# Altium PCB STB_LightBoard.PcbDoc (part 1 of 31)
Units mm, origin at the board's own origin, x right, y up, seen from the top; angles counter-clockwise.
Board outline 348 x 348 mm, 2 copper layers (Top Layer, Bottom Layer), stack 1.672 mm thick; 3807 components, 3391 nets, 11616 pads, 2553 vias.
Unrouted connection lines stored in the file: 68.
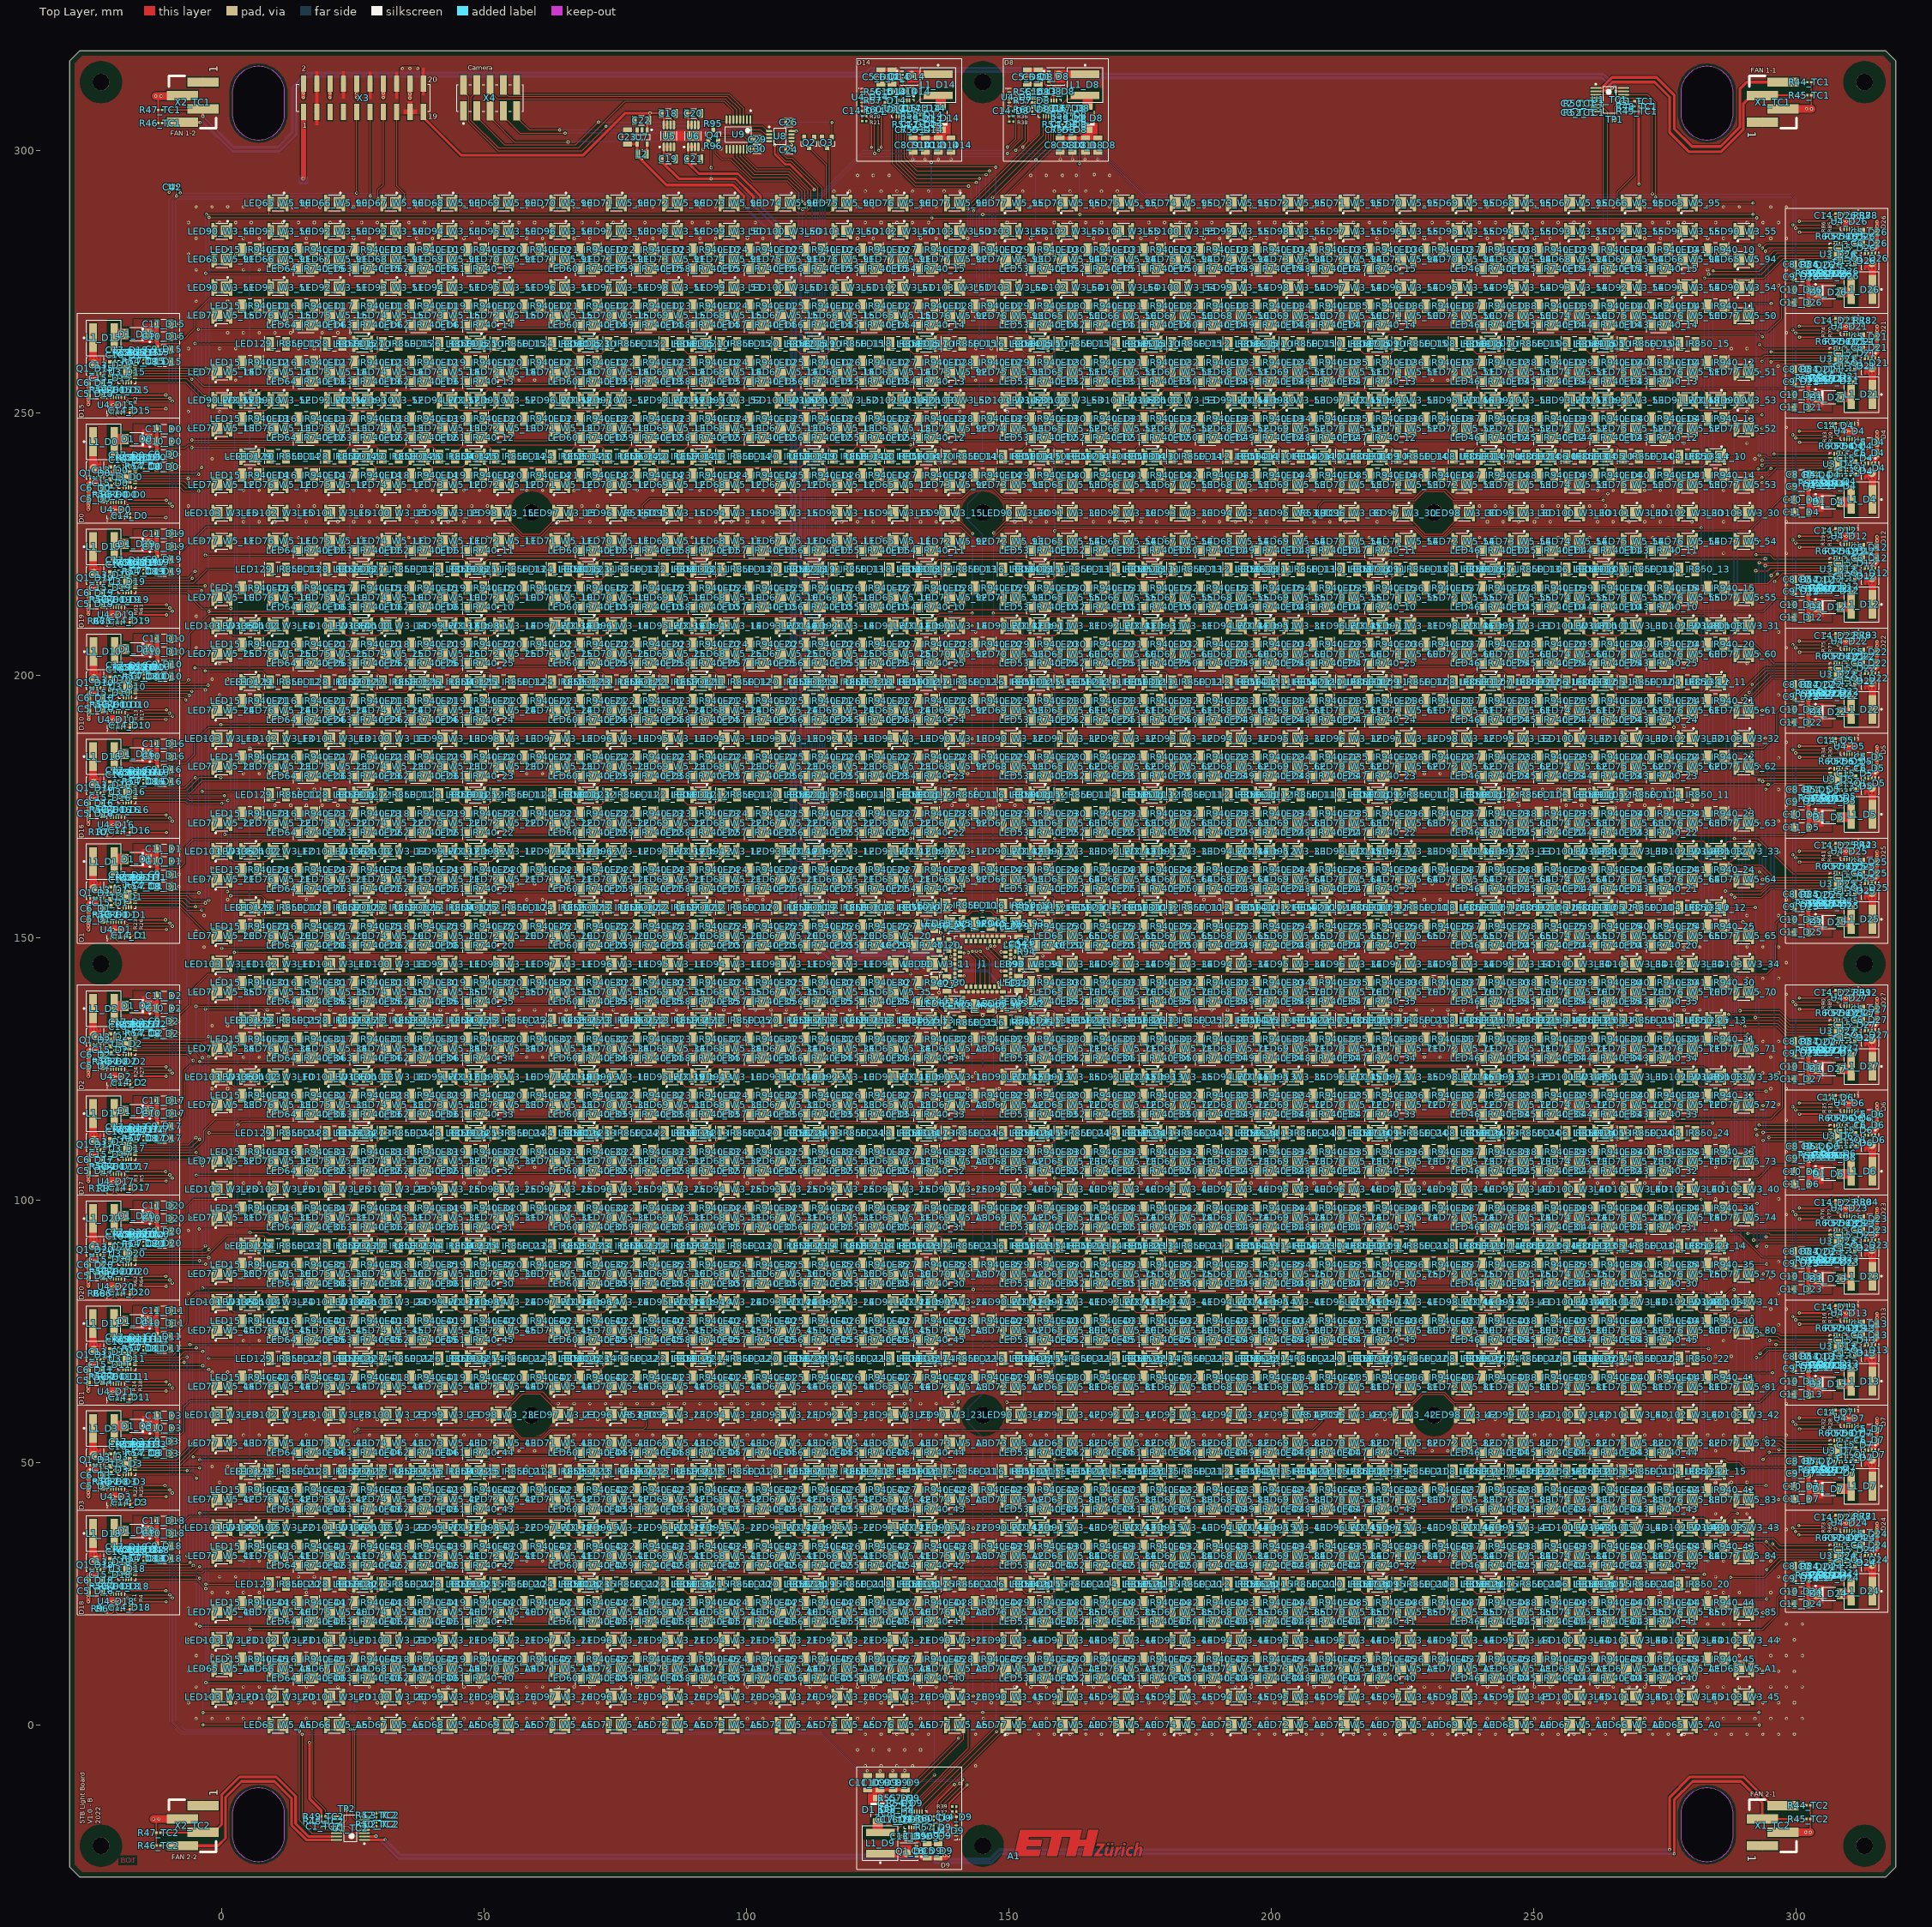
[diagram p0: Top Layer view]
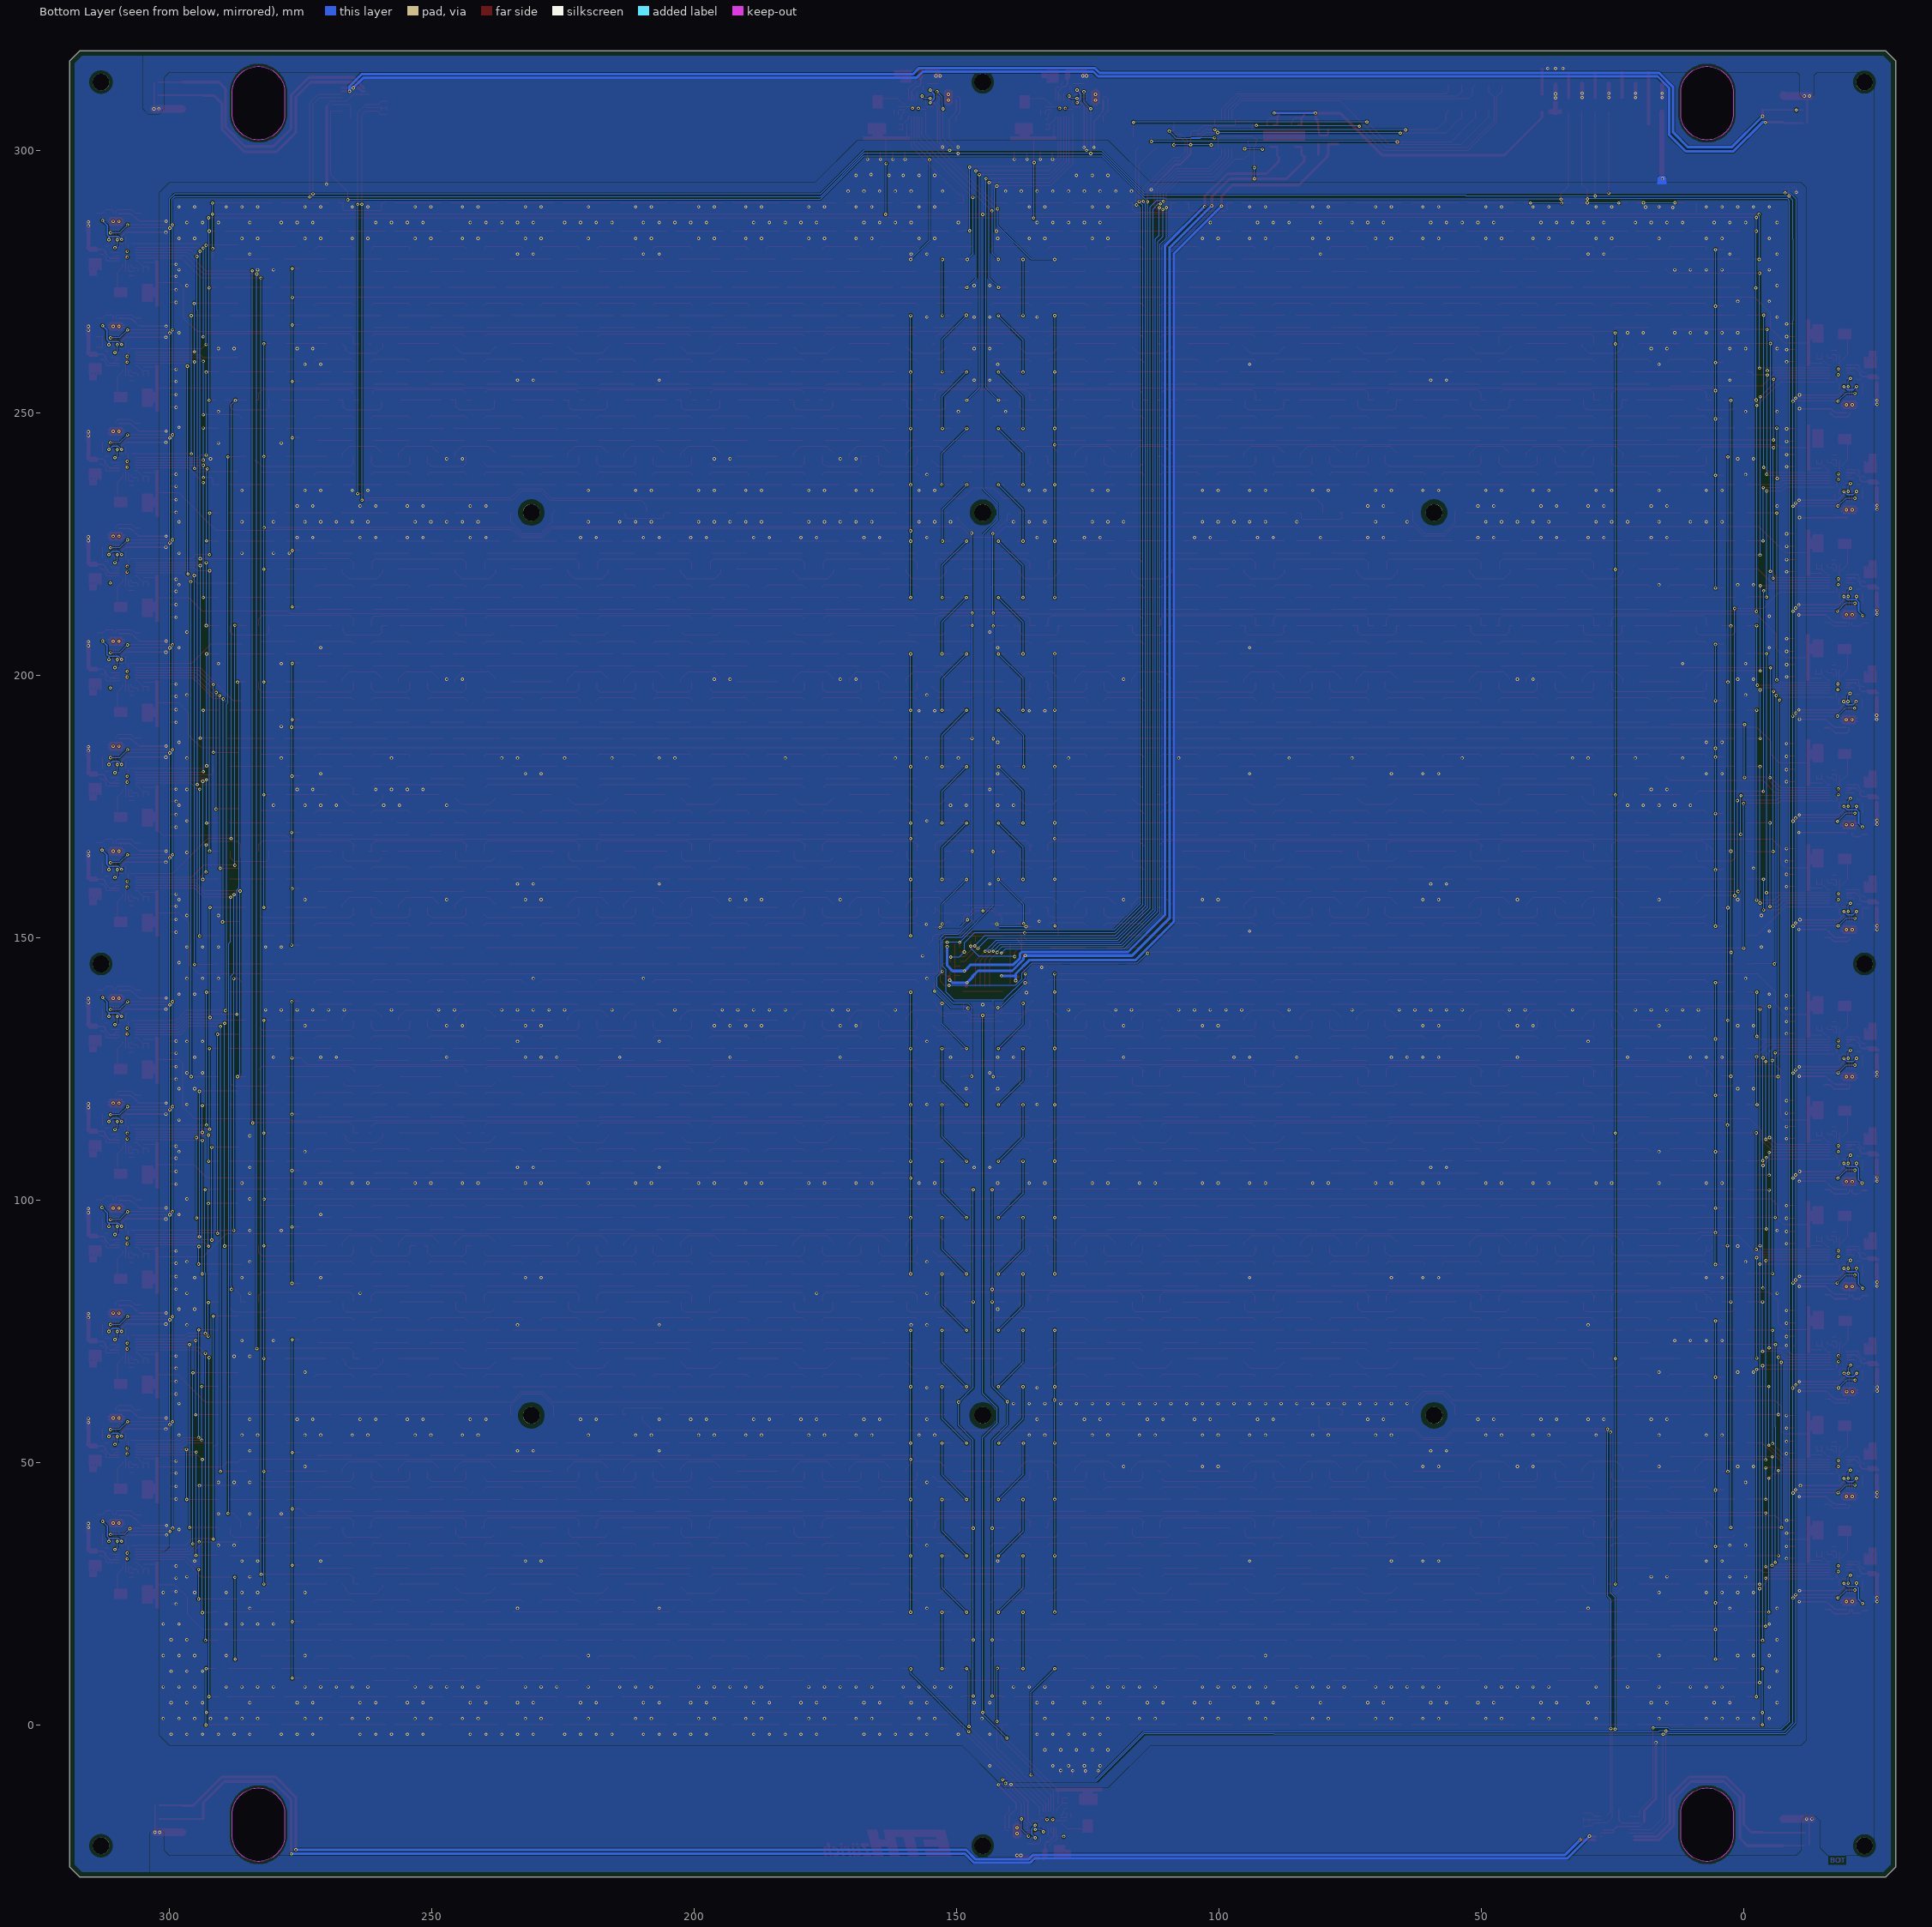
[diagram p1: Bottom Layer view, seen from below]

## Layer stack, top to bottom
Top Solder: solder mask 0.01, SM-001, Dk 4
Top Layer: signal copper 0.035
Dielectric 3: prepreg 0.0508, PP-001, Dk 3.9
Bottom Layer: signal copper 0.035
Dielectric 2: prepreg 0.0508, PP-001, Dk 3.9
Aluminium: core 1.5, Core-043, Dk 10

## Board outline
-27,319 -29,317 -29,-27 -27,-29 317,-29 319,-27 319,317 317,319
cut-out: 2,307 ccw(c7,307) 12,307 12,311 ccw(c7,311) 2,311
cut-out: 278,307 ccw(c283,307) 288,307 288,311 ccw(c283,311) 278,311
cut-out: 278,-21 ccw(c283,-21) 288,-21 288,-17 ccw(c283,-17) 278,-17
cut-out: 2,-21 ccw(c7,-21) 12,-21 12,-17 ccw(c7,-17) 2,-17

## Design rules (kind name [scope] priority, off if disabled: settings)
BoardOutlineClearance [All] p1: gap=1 ignorepadtopadclearanceinfootprint=FALSE except(0.5: Poly-CutoutEdge)
Clearance [All] p1: gap=0.152 ignorepadtopadclearanceinfootprint=FALSE
ComponentClearance [All] p1: gap=0.254 collisioncheckmode=3 verticalgap=2540 showdistances=FALSE
HoleSize [All] p1: absolutevalues=TRUE maxlimit=4 minlimit=0.025 maxpercent=80.000 minpercent=20.000
HoleToHoleClearance [All] p1: gap=0.1 allowstackedmicrovias=TRUE
MinimumSolderMaskSliver [All] p1: minsoldermaskwidth=0.1
PlaneClearance [All] p1: clearance=0.254
PlaneConnect [All] p1: planeconnectstyle=Direct reliefexpansion=0.508 reliefentries=4 reliefconductorwidth=0.254 reliefairgap=0.254
PolygonConnect [All] p1: thpad.connectstyle=Relief thpad.reliefconductorwidth=0.254 thpad.reliefentries=4 thpad.polygonreliefangle="90 Angle" thpad.airgapwidth=0.152 smdpad.connectstyle=Relief smdpad.reliefconductorwidth=0.152 smdpad.reliefentries=4 smdpad.polygonreliefangle="90 Angle" smdpad.airgapwidth=0.152 via.connectstyle=Direct via.reliefconductorwidth=0.254 via.reliefentries=4 via.polygonreliefangle="90 Angle" via.airgapwidth=0.254
RoomDefinition D3 [InComponentClass('D3')] p1: confinementstyle=ConfineIn formatcopy=FALSE lockcomponents=FALSE outline -27,41 -8,41 -8,61 -27,61
RoomDefinition D18 [InComponentClass('D18')] p2: confinementstyle=ConfineIn formatcopy=FALSE lockcomponents=FALSE outline -27,21 -8,21 -8,41 -27,41
RoomDefinition D6 [InComponentClass('D6')] p3: confinementstyle=ConfineIn formatcopy=FALSE lockcomponents=FALSE outline 317,121 298,121 298,101 317,101
RoomDefinition W5_43 [InComponentClass('W5_43')] p4: confinementstyle=ConfineIn formatcopy=FALSE lockcomponents=FALSE outline -3,59.07 139.633,59.07 139.633,48.33 -3,48.33
RoomDefinition W5_42 [InComponentClass('W5_42')] p5: confinementstyle=ConfineIn formatcopy=FALSE lockcomponents=FALSE outline -3,48.33 139.633,48.33 139.633,37.59 -3,37.59
RoomDefinition W5_41 [InComponentClass('W5_41')] p6: confinementstyle=ConfineIn formatcopy=FALSE lockcomponents=FALSE outline -3,37.59 139.633,37.59 139.633,26.85 -3,26.85
RoomDefinition W5_40 [InComponentClass('W5_40')] p7: confinementstyle=ConfineIn formatcopy=FALSE lockcomponents=FALSE outline -3,26.85 139.633,26.85 139.633,16.11 -3,16.11
RoomDefinition W5_10 [InComponentClass('W5_10')] p8: confinementstyle=ConfineIn formatcopy=FALSE lockcomponents=FALSE outline -3,220.17 139.633,220.17 139.633,209.43 -3,209.43
RoomDefinition W5_12 [InComponentClass('W5_12')] p9: confinementstyle=ConfineIn formatcopy=FALSE lockcomponents=FALSE outline -3,241.65 139.633,241.65 139.633,230.91 -3,230.91
RoomDefinition W5_13 [InComponentClass('W5_13')] p10: confinementstyle=ConfineIn formatcopy=FALSE lockcomponents=FALSE outline -3,252.39 139.633,252.39 139.633,241.65 -3,241.65
RoomDefinition W5_14 [InComponentClass('W5_14')] p11: confinementstyle=ConfineIn formatcopy=FALSE lockcomponents=FALSE outline -3,263.13 139.633,263.13 139.633,252.39 -3,252.39
RoomDefinition W5_20 [InComponentClass('W5_20')] p12: confinementstyle=ConfineIn formatcopy=FALSE lockcomponents=FALSE outline -3,155.73 139.633,155.73 139.633,144.99 -3,144.99
RoomDefinition W5_21 [InComponentClass('W5_21')] p13: confinementstyle=ConfineIn formatcopy=FALSE lockcomponents=FALSE outline -3,166.47 139.633,166.47 139.633,155.73 -3,155.73
RoomDefinition W5_22 [InComponentClass('W5_22')] p14: confinementstyle=ConfineIn formatcopy=FALSE lockcomponents=FALSE outline -3,177.21 139.633,177.21 139.633,166.47 -3,166.47
RoomDefinition W5_23 [InComponentClass('W5_23')] p15: confinementstyle=ConfineIn formatcopy=FALSE lockcomponents=FALSE outline -3,187.95 139.633,187.95 139.633,177.21 -3,177.21
RoomDefinition W5_24 [InComponentClass('W5_24')] p16: confinementstyle=ConfineIn formatcopy=FALSE lockcomponents=FALSE outline -3,198.69 139.633,198.69 139.633,187.95 -3,187.95
RoomDefinition W5_25 [InComponentClass('W5_25')] p17: confinementstyle=ConfineIn formatcopy=FALSE lockcomponents=FALSE outline -3,209.43 139.633,209.43 139.633,198.69 -3,198.69
RoomDefinition W5_30 [InComponentClass('W5_30')] p18: confinementstyle=ConfineIn formatcopy=FALSE lockcomponents=FALSE outline -3,91.29 139.633,91.29 139.633,80.55 -3,80.55
RoomDefinition W5_31 [InComponentClass('W5_31')] p19: confinementstyle=ConfineIn formatcopy=FALSE lockcomponents=FALSE outline -3,102.03 139.633,102.03 139.633,91.29 -3,91.29
RoomDefinition W5_32 [InComponentClass('W5_32')] p20: confinementstyle=ConfineIn formatcopy=FALSE lockcomponents=FALSE outline -3,112.77 139.633,112.77 139.633,102.03 -3,102.03
RoomDefinition W5_33 [InComponentClass('W5_33')] p21: confinementstyle=ConfineIn formatcopy=FALSE lockcomponents=FALSE outline -3,123.51 139.633,123.51 139.633,112.77 -3,112.77
RoomDefinition W5_34 [InComponentClass('W5_34')] p22: confinementstyle=ConfineIn formatcopy=FALSE lockcomponents=FALSE outline -3,134.25 139.633,134.25 139.633,123.51 -3,123.51
RoomDefinition W5_35 [InComponentClass('W5_35')] p23: confinementstyle=ConfineIn formatcopy=FALSE lockcomponents=FALSE outline -3,144.99 139.633,144.99 139.633,134.25 -3,134.25
RoomDefinition W5_44 [InComponentClass('W5_44')] p24: confinementstyle=ConfineIn formatcopy=FALSE lockcomponents=FALSE outline -3,69.81 139.633,69.81 139.633,59.07 -3,59.07
RoomDefinition W5_45 [InComponentClass('W5_45')] p25: confinementstyle=ConfineIn formatcopy=FALSE lockcomponents=FALSE outline -3,80.55 139.633,80.55 139.633,69.81 -3,69.81
RoomDefinition W5_15 [InComponentClass('W5_15')] p26: confinementstyle=ConfineIn formatcopy=FALSE lockcomponents=FALSE outline -3,273.87 139.633,273.87 139.633,263.13 -3,263.13
RoomDefinition W5_65 [InComponentClass('W5_65')] p27: confinementstyle=ConfineIn formatcopy=TRUE lockcomponents=FALSE outline 150.374,144.99 293,144.99 293,155.73 150.374,155.73
RoomDefinition W5_85 [InComponentClass('W5_85')] p28: confinementstyle=ConfineIn formatcopy=TRUE lockcomponents=FALSE outline 150.374,16.11 293,16.11 293,26.85 150.374,26.85
RoomDefinition W5_84 [InComponentClass('W5_84')] p29: confinementstyle=ConfineIn formatcopy=TRUE lockcomponents=FALSE outline 150.374,26.85 293,26.85 293,37.59 150.374,37.59
RoomDefinition W5_83 [InComponentClass('W5_83')] p30: confinementstyle=ConfineIn formatcopy=TRUE lockcomponents=FALSE outline 150.374,37.59 293,37.59 293,48.33 150.374,48.33
RoomDefinition W5_82 [InComponentClass('W5_82')] p31: confinementstyle=ConfineIn formatcopy=TRUE lockcomponents=FALSE outline 150.374,48.33 293,48.33 293,59.07 150.374,59.07
RoomDefinition W5_81 [InComponentClass('W5_81')] p32: confinementstyle=ConfineIn formatcopy=TRUE lockcomponents=FALSE outline 150.374,59.07 293,59.07 293,69.81 150.374,69.81
RoomDefinition W5_80 [InComponentClass('W5_80')] p33: confinementstyle=ConfineIn formatcopy=TRUE lockcomponents=FALSE outline 150.374,69.81 293,69.81 293,80.55 150.374,80.55
RoomDefinition W5_75 [InComponentClass('W5_75')] p34: confinementstyle=ConfineIn formatcopy=TRUE lockcomponents=FALSE outline 150.374,80.55 293,80.55 293,91.29 150.374,91.29
RoomDefinition W5_74 [InComponentClass('W5_74')] p35: confinementstyle=ConfineIn formatcopy=TRUE lockcomponents=FALSE outline 150.374,91.29 293,91.29 293,102.03 150.374,102.03
RoomDefinition W5_73 [InComponentClass('W5_73')] p36: confinementstyle=ConfineIn formatcopy=TRUE lockcomponents=FALSE outline 150.374,102.03 293,102.03 293,112.77 150.374,112.77
RoomDefinition W5_72 [InComponentClass('W5_72')] p37: confinementstyle=ConfineIn formatcopy=TRUE lockcomponents=FALSE outline 150.374,112.77 293,112.77 293,123.51 150.374,123.51
RoomDefinition W5_71 [InComponentClass('W5_71')] p38: confinementstyle=ConfineIn formatcopy=TRUE lockcomponents=FALSE outline 150.374,123.51 293,123.51 293,134.25 150.374,134.25
RoomDefinition W5_70 [InComponentClass('W5_70')] p39: confinementstyle=ConfineIn formatcopy=TRUE lockcomponents=FALSE outline 150.374,134.25 293,134.25 293,144.99 150.374,144.99
RoomDefinition W5_64 [InComponentClass('W5_64')] p40: confinementstyle=ConfineIn formatcopy=TRUE lockcomponents=FALSE outline 150.374,155.73 293,155.73 293,166.47 150.374,166.47
RoomDefinition W5_63 [InComponentClass('W5_63')] p41: confinementstyle=ConfineIn formatcopy=TRUE lockcomponents=FALSE outline 150.374,166.47 293,166.47 293,177.21 150.374,177.21
RoomDefinition W5_62 [InComponentClass('W5_62')] p42: confinementstyle=ConfineIn formatcopy=TRUE lockcomponents=FALSE outline 150.374,177.21 293,177.21 293,187.95 150.374,187.95
RoomDefinition W5_61 [InComponentClass('W5_61')] p43: confinementstyle=ConfineIn formatcopy=TRUE lockcomponents=FALSE outline 150.374,187.95 293,187.95 293,198.69 150.374,198.69
RoomDefinition W5_60 [InComponentClass('W5_60')] p44: confinementstyle=ConfineIn formatcopy=TRUE lockcomponents=FALSE outline 150.374,198.69 293,198.69 293,209.43 150.374,209.43
RoomDefinition W5_55 [InComponentClass('W5_55')] p45: confinementstyle=ConfineIn formatcopy=TRUE lockcomponents=FALSE outline 150.374,209.43 293,209.43 293,220.17 150.374,220.17
RoomDefinition W5_54 [InComponentClass('W5_54')] p46: confinementstyle=ConfineIn formatcopy=TRUE lockcomponents=FALSE outline 150.374,220.17 293,220.17 293,230.91 150.374,230.91
RoomDefinition W5_53 [InComponentClass('W5_53')] p47: confinementstyle=ConfineIn formatcopy=TRUE lockcomponents=FALSE outline 150.374,230.91 293,230.91 293,241.65 150.374,241.65
RoomDefinition W5_52 [InComponentClass('W5_52')] p48: confinementstyle=ConfineIn formatcopy=TRUE lockcomponents=FALSE outline 150.374,241.65 293,241.65 293,252.39 150.374,252.39
RoomDefinition W5_51 [InComponentClass('W5_51')] p49: confinementstyle=ConfineIn formatcopy=TRUE lockcomponents=FALSE outline 150.374,252.39 293,252.39 293,263.13 150.374,263.13
RoomDefinition W5_50 [InComponentClass('W5_50')] p50: confinementstyle=ConfineIn formatcopy=TRUE lockcomponents=FALSE outline 150.374,263.13 293,263.13 293,273.87 150.374,273.87
RoomDefinition W5_11 [InComponentClass('W5_11')] p51: confinementstyle=ConfineIn formatcopy=FALSE lockcomponents=FALSE outline -3,230.91 139.633,230.91 139.633,220.17 -3,220.17
RoomDefinition TC2 [InComponentClass('TC2')] p52: confinementstyle=ConfineIn formatcopy=TRUE lockcomponents=FALSE outline 32,-16 18,-16 18,-23 32,-23
RoomDefinition TC1 [InComponentClass('TC1')] p53: confinementstyle=ConfineIn formatcopy=TRUE lockcomponents=FALSE outline 257,306 271,306 271,313 257,313
RoomDefinition D27 [InComponentClass('D27')] p54: confinementstyle=ConfineIn formatcopy=FALSE lockcomponents=FALSE outline 317,141 298,141 298,121 317,121
RoomDefinition D26 [InComponentClass('D26')] p55: confinementstyle=ConfineIn formatcopy=FALSE lockcomponents=FALSE outline 317,289 298,289 298,269 317,269
RoomDefinition D25 [InComponentClass('D25')] p56: confinementstyle=ConfineIn formatcopy=FALSE lockcomponents=FALSE outline 317,169 298,169 298,149 317,149
RoomDefinition D24 [InComponentClass('D24')] p57: confinementstyle=ConfineIn formatcopy=FALSE lockcomponents=FALSE outline 317,41 298,41 298,21 317,21
RoomDefinition D23 [InComponentClass('D23')] p58: confinementstyle=ConfineIn formatcopy=FALSE lockcomponents=FALSE outline 317,101 298,101 298,81 317,81
RoomDefinition D22 [InComponentClass('D22')] p59: confinementstyle=ConfineIn formatcopy=FALSE lockcomponents=FALSE outline 317,209 298,209 298,189 317,189
RoomDefinition D21 [InComponentClass('D21')] p60: confinementstyle=ConfineIn formatcopy=FALSE lockcomponents=FALSE outline 317,269 298,269 298,249 317,249
RoomDefinition D20 [InComponentClass('D20')] p61: confinementstyle=ConfineIn formatcopy=FALSE lockcomponents=FALSE outline -27,81 -8,81 -8,101 -27,101
RoomDefinition D19 [InComponentClass('D19')] p62: confinementstyle=ConfineIn formatcopy=FALSE lockcomponents=FALSE outline -27,209 -8,209 -8,229 -27,229
RoomDefinition D17 [InComponentClass('D17')] p63: confinementstyle=ConfineIn formatcopy=FALSE lockcomponents=FALSE outline -27,101 -8,101 -8,121 -27,121
RoomDefinition D16 [InComponentClass('D16')] p64: confinementstyle=ConfineIn formatcopy=FALSE lockcomponents=FALSE outline -27,169 -8,169 -8,189 -27,189
RoomDefinition D15 [InComponentClass('D15')] p65: confinementstyle=ConfineIn formatcopy=FALSE lockcomponents=FALSE outline -27,249 -8,249 -8,269 -27,269
RoomDefinition D14 [InComponentClass('D14')] p66: confinementstyle=ConfineIn formatcopy=FALSE lockcomponents=FALSE outline 121,317 121,298 141,298 141,317
RoomDefinition D13 [InComponentClass('D13')] p67: confinementstyle=ConfineIn formatcopy=FALSE lockcomponents=FALSE outline 317,81 298,81 298,61 317,61
RoomDefinition D12 [InComponentClass('D12')] p68: confinementstyle=ConfineIn formatcopy=FALSE lockcomponents=FALSE outline 317,229 298,229 298,209 317,209
RoomDefinition D11 [InComponentClass('D11')] p69: confinementstyle=ConfineIn formatcopy=FALSE lockcomponents=FALSE outline -27,61 -8,61 -8,81 -27,81
RoomDefinition D10 [InComponentClass('D10')] p70: confinementstyle=ConfineIn formatcopy=FALSE lockcomponents=FALSE outline -27,189 -8,189 -8,209 -27,209
RoomDefinition D9 [InComponentClass('D9')] p71: confinementstyle=ConfineIn formatcopy=FALSE lockcomponents=FALSE outline 141,-27 141,-8 121,-8 121,-27
RoomDefinition D8 [InComponentClass('D8')] p72: confinementstyle=ConfineIn formatcopy=FALSE lockcomponents=FALSE outline 149,317 149,298 169,298 169,317
RoomDefinition D7 [InComponentClass('D7')] p73: confinementstyle=ConfineIn formatcopy=FALSE lockcomponents=FALSE outline 317,61 298,61 298,41 317,41
RoomDefinition D5 [InComponentClass('D5')] p74: confinementstyle=ConfineIn formatcopy=FALSE lockcomponents=FALSE outline 317,189 298,189 298,169 317,169
RoomDefinition D4 [InComponentClass('D4')] p75: confinementstyle=ConfineIn formatcopy=TRUE lockcomponents=FALSE outline 317,249 298,249 298,229 317,229
RoomDefinition D2 [InComponentClass('D2')] p76: confinementstyle=ConfineIn formatcopy=FALSE lockcomponents=FALSE outline -27,121 -8,121 -8,141 -27,141
RoomDefinition D1 [InComponentClass('D1')] p77: confinementstyle=ConfineIn formatcopy=FALSE lockcomponents=FALSE outline -27,149 -8,149 -8,169 -27,169
RoomDefinition D0 [InComponentClass('D0')] p78: confinementstyle=ConfineIn formatcopy=FALSE lockcomponents=FALSE outline -27,229 -8,229 -8,249 -27,249
RoutingVias [All] p1: holewidth=0.3 width=0.604 viastyle="Through Hole" minholewidth=0.3 minwidth=0.604 maxholewidth=1 maxwidth=4
SilkToSilkClearance [All] p1: silktosilkclearance=0.1
SilkToSolderMaskClearance [IsPad] p1: minsilkscreentomaskgap=0.1 clearancetoexposedcopper=TRUE
SolderMaskExpansion [All] p1: expansion=0.05 istentingtop=FALSE
Width [All] p1: maxlimit=5 minlimit=0.152 preferedwidth=0.152
22 further rules are at their usual default settings.

## Classes and differential pairs
component class FLIR: C18 C19 C20 C21 C22 C23 C24 C25 C26 C27 C29 C30 C31 C34 J1 L2 Q2 Q3 Q4 R93 R94 R95 R96 U5 U6 U7 U8 U9 Y1